# Altium PCB USD3.0.PcbDoc (part 3 of 3)
Units mm, origin at the board's own origin, x right, y up, seen from the top; angles counter-clockwise.
Board outline 70 x 100 mm, 4 copper layers (Layer 1, Layer 2, Layer 3, Layer 4), stack 0.566 mm thick; 249 components, 168 nets, 1040 pads, 789 vias.
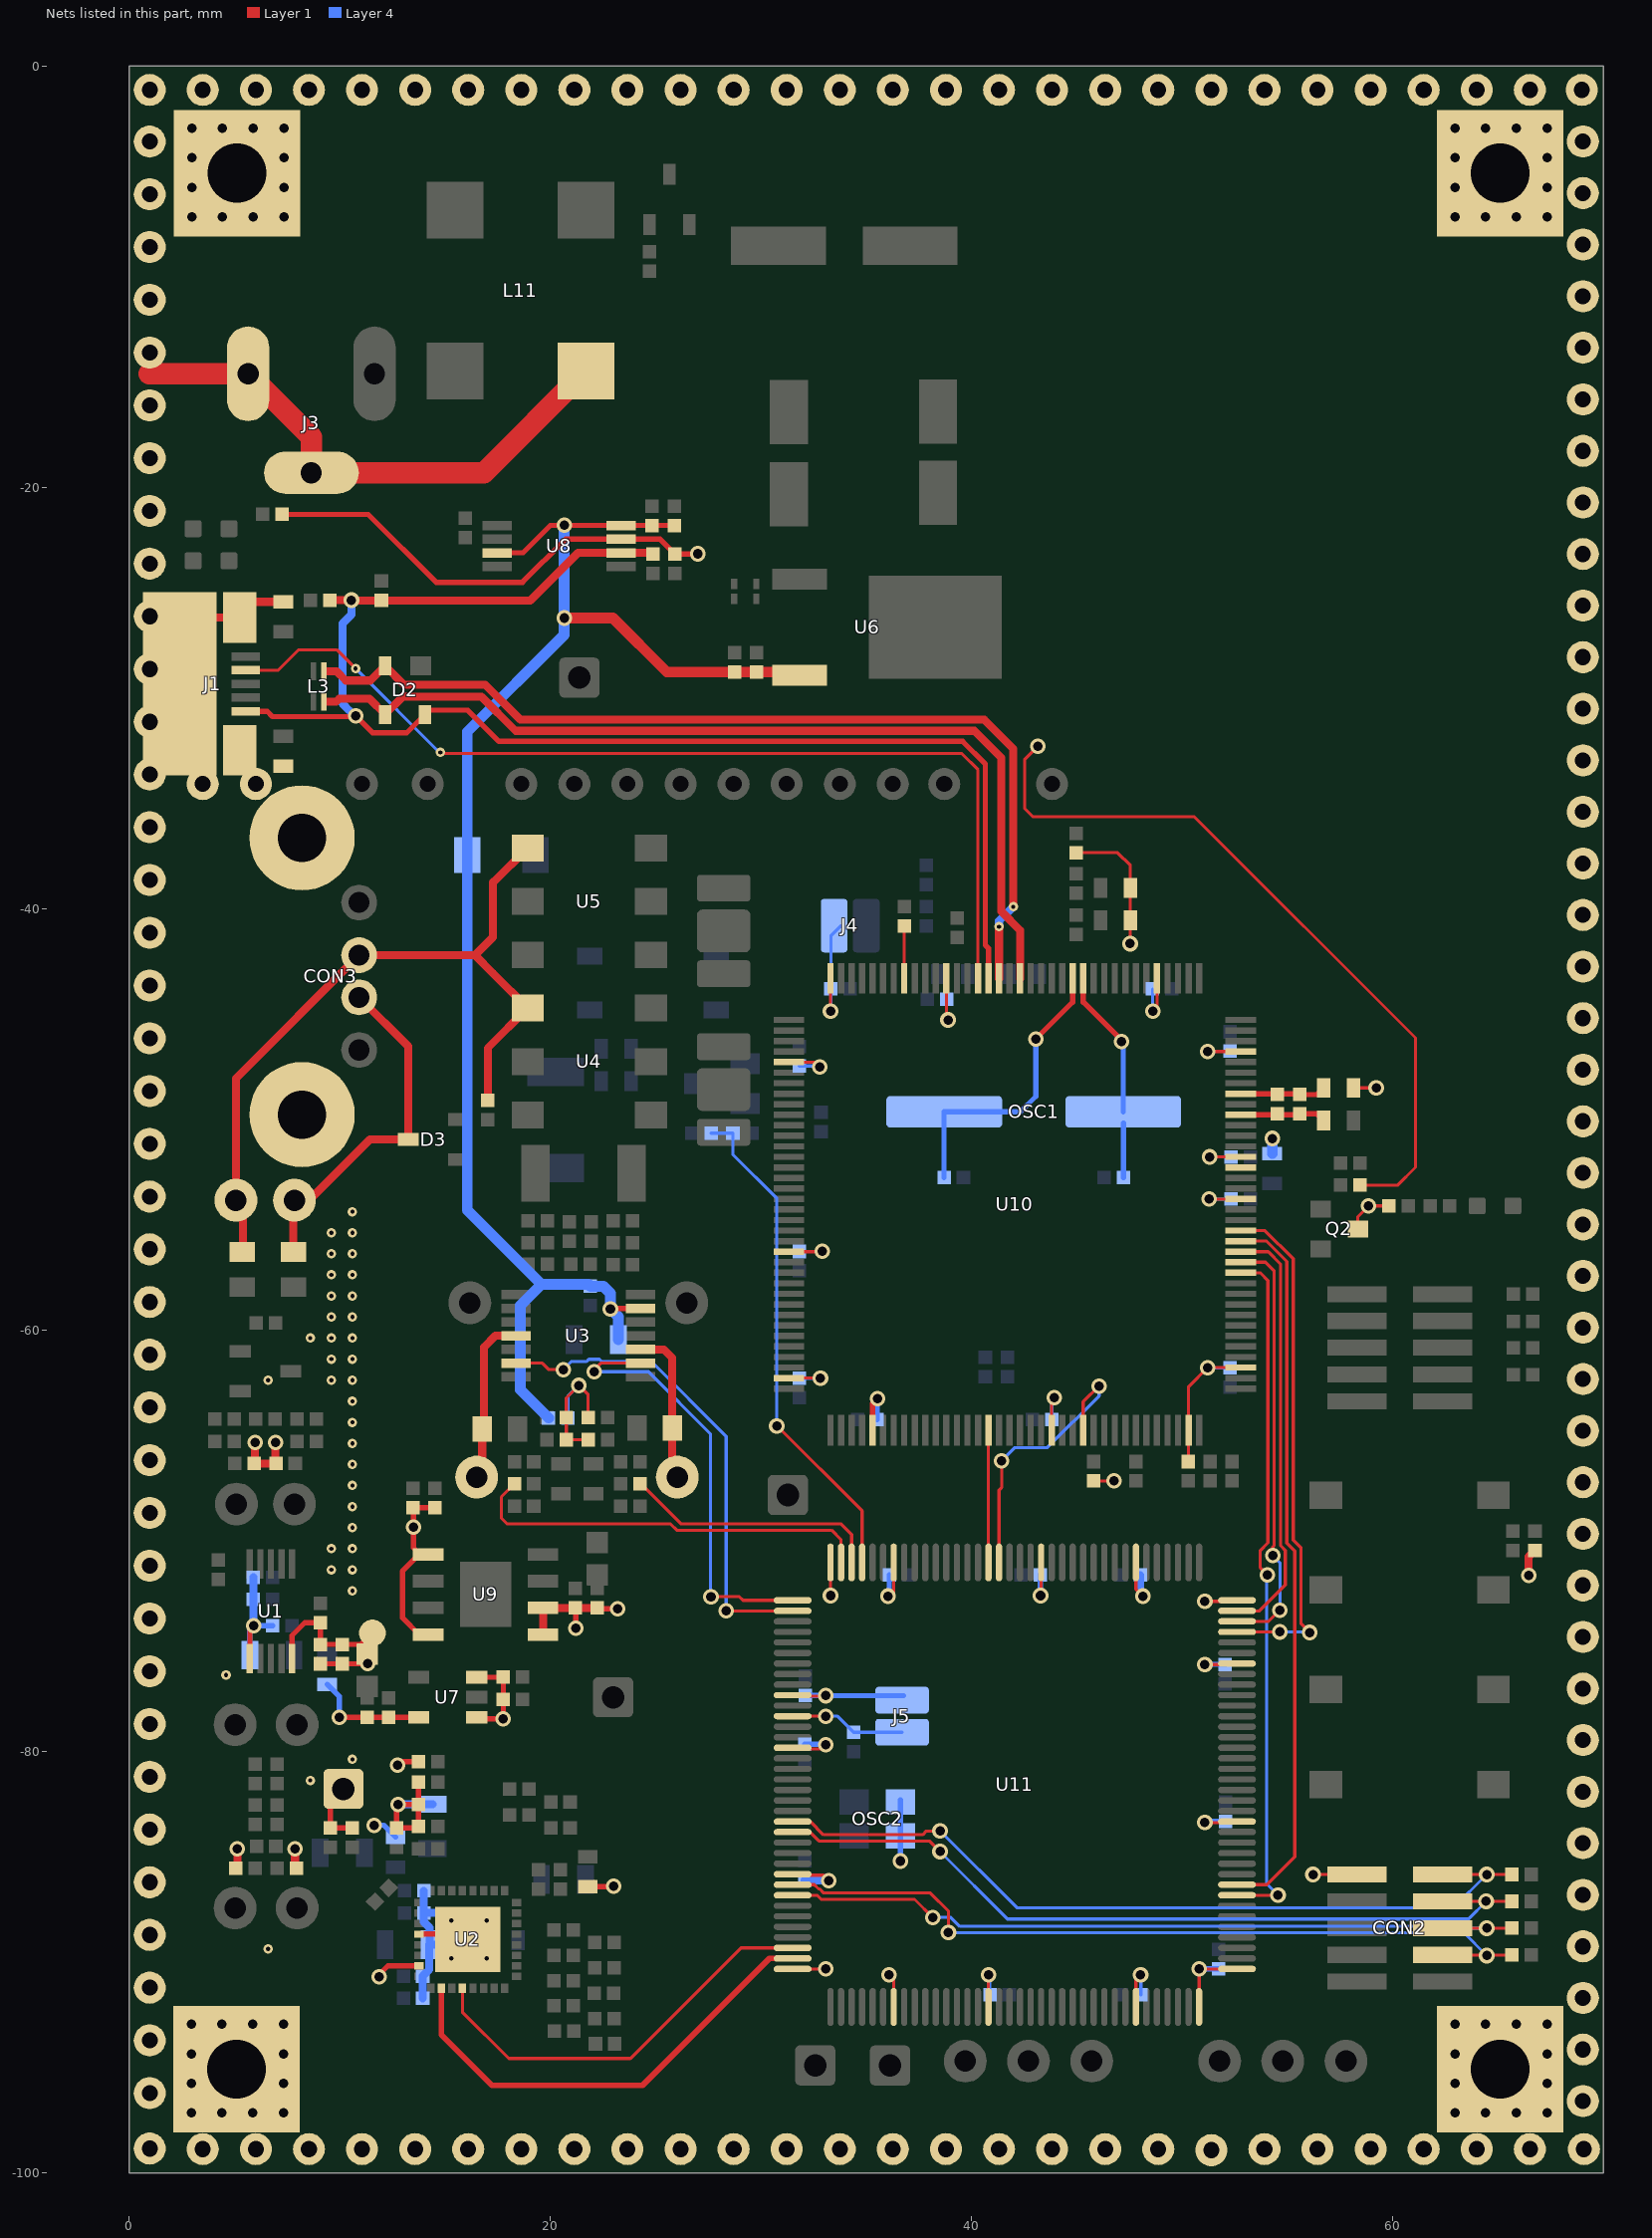
[diagram p5: the nets of this part, all layers, seen from the top]

## Via types
v1: diameter 0.45, hole 0.2, Layer 1 to Layer 4, 335 vias
v2: diameter 0.737, hole 0.45, Layer 1 to Layer 4, 194 vias
v3: diameter 0.45, hole 0.2, Layer 1 to Layer 4, tented both sides, 182 vias
v4: diameter 0.6, hole 0.3, Layer 1 to Layer 4, 42 vias
v5: diameter 0.75, hole 0.45, Layer 1 to Layer 4, tented both sides, 13 vias
v6: diameter 0.75, hole 0.45, Layer 1 to Layer 4, 13 vias
v7: diameter 0.737, hole 0.45, Layer 1 to Layer 4, tented both sides, 5 vias
v8: diameter 0.5, hole 0.2, Layer 1 to Layer 4, 4 vias
v9: diameter 0.75, hole 0.45, Layer 1 to Layer 4, tented bottom, 1 vias

## Nets (pads, with @x,y where several pads share a name; then routed paths per layer and width w, separated by ;. In a path a pad name is that pad's centre, name@x,y a point inside that pad or via, vN(x,y) a via of type N, cw(c..) or ccw(c..) an arc to the next point about the centre after c; other vN are vias at no path point) (continued)
PGND: CON3.SH J1.SH J3.2 J3.3 L6.1 L7.1 L11.2 pad.2@0.975,-1.125 pad.2@0.975,-3.579 pad.2@0.975,-6.083 pad.2@0.975,-8.587 pad.2@0.975,-11.09 pad.2@0.975,-13.594 pad.2@0.975,-16.098 pad.2@0.975,-18.602 pad.2@0.975,-21.106 pad.2@0.975,-23.61 pad.2@0.975,-26.113 pad.2@0.975,-28.617 pad.2@0.975,-31.121 pad.2@0.975,-33.625 pad.2@0.975,-36.129 pad.2@0.975,-38.633 pad.2@0.975,-41.137 pad.2@0.975,-43.64 pad.2@0.975,-46.144 pad.2@0.975,-48.648 pad.2@0.975,-51.152 pad.2@0.975,-53.656 pad.2@0.975,-56.16 pad.2@0.975,-58.663 pad.2@0.975,-61.167 pad.2@0.975,-63.671 pad.2@0.975,-66.175 pad.2@0.975,-68.679 pad.2@0.975,-71.183 pad.2@0.975,-73.687 pad.2@0.975,-76.19 pad.2@0.975,-78.694 pad.2@0.975,-81.198 pad.2@0.975,-83.702 pad.2@0.975,-86.206 pad.2@0.975,-88.71 pad.2@0.975,-91.213 pad.2@0.975,-93.717 pad.2@0.975,-96.221 pad.2@0.975,-98.85 pad.2@3.495,-1.125 pad.2@3.495,-34.075 pad.2@3.495,-98.875 pad.2@6.016,-1.125 pad.2@6.016,-34.075 pad.2@6.016,-98.875 pad.2@8.536,-1.125 pad.2@8.536,-98.875 pad.2@11.056,-1.125 pad.2@11.056,-98.875 pad.2@13.577,-1.125 pad.2@13.577,-98.875 pad.2@16.097,-1.125 pad.2@16.097,-98.875 pad.2@18.618,-1.125 pad.2@18.618,-98.875 pad.2@21.138,-1.125 pad.2@21.138,-98.875 pad.2@23.658,-1.125 pad.2@23.658,-98.875 pad.2@26.179,-1.125 pad.2@26.179,-98.875 pad.2@28.699,-1.125 pad.2@28.699,-98.875 pad.2@31.219,-1.125 pad.2@31.219,-98.875 pad.2@33.74,-1.125 pad.2@33.74,-98.875 pad.2@36.26,-1.125 pad.2@36.26,-98.875 pad.2@38.781,-1.125 pad.2@38.781,-98.875 pad.2@41.301,-1.125 pad.2@41.301,-98.875 pad.2@43.821,-1.125 pad.2@43.821,-98.875 pad.2@46.342,-1.125 pad.2@46.342,-98.875 pad.2@48.862,-1.125 pad.2@48.862,-98.875 pad.2@51.382,-1.125 pad.2@51.382,-98.925 pad.2@53.903,-1.125 pad.2@53.903,-98.875 pad.2@56.423,-1.125 pad.2@56.423,-98.875 pad.2@58.943,-1.125 pad.2@58.943,-98.875 pad.2@61.464,-1.125 pad.2@61.464,-98.875 pad.2@63.984,-1.125 pad.2@63.984,-98.875 pad.2@66.505,-1.125 pad.2@66.505,-98.875 pad.2@68.975,-1.125 pad.2@69.025,-3.573 pad.2@69.025,-6.021 pad.2@69.025,-8.469 pad.2@69.025,-10.917 pad.2@69.025,-13.365 pad.2@69.025,-15.813 pad.2@69.025,-18.261 pad.2@69.025,-20.709 pad.2@69.025,-23.157 pad.2@69.025,-25.605 pad.2@69.025,-28.053 pad.2@69.025,-30.501 pad.2@69.025,-32.949 pad.2@69.025,-35.397 pad.2@69.025,-37.845 pad.2@69.025,-40.293 pad.2@69.025,-42.741 pad.2@69.025,-45.189 pad.2@69.025,-47.637 pad.2@69.025,-50.085 pad.2@69.025,-52.533 pad.2@69.025,-54.98 pad.2@69.025,-57.428 pad.2@69.025,-59.876 pad.2@69.025,-62.324 pad.2@69.025,-64.772 pad.2@69.025,-67.22 pad.2@69.025,-69.668 pad.2@69.025,-72.116 pad.2@69.025,-74.564 pad.2@69.025,-77.012 pad.2@69.025,-79.46 pad.2@69.025,-81.908 pad.2@69.025,-84.356 pad.2@69.025,-86.804 pad.2@69.025,-89.252 pad.2@69.025,-91.7 pad.2@69.025,-94.148 pad.2@69.025,-96.596 pad.2@69.075,-98.875 pad.MH | length 31.4
  Layer 1 w0.381: J1.SH@2.4,-26.175 J1.SH@5.25,-26.175 5.25,-25.425 L7.1@7.325,-25.425
  Layer 1 w1.016: 0.95,-14.6 J3.2@5.65,-14.6 8.65,-17.6 J3.3@8.65,-19.3 16.845,-19.3 L11.2@21.685,-14.46
  other v2: 2.95,-97.15 4.408,-97.15 5.867,-97.15 7.325,-97.15 62.95,-97.15 64.408,-97.15 65.867,-97.15 67.325,-97.15 2.95,-95.75 7.325,-95.75 62.95,-95.75 67.325,-95.75 2.95,-94.35 7.325,-94.35 62.95,-94.35 67.325,-94.35 2.95,-92.95 4.408,-92.95 5.867,-92.95 7.325,-92.95 62.95,-92.95 64.408,-92.95 65.867,-92.95 67.325,-92.95 2.975,-7.15 4.433,-7.15 5.892,-7.15 7.35,-7.15 62.95,-7.15 64.408,-7.15 65.867,-7.15 67.325,-7.15 2.975,-5.75 7.35,-5.75 62.95,-5.75 67.325,-5.75 2.975,-4.35 7.35,-4.35 62.95,-4.35 67.325,-4.35 2.975,-2.95 4.433,-2.95 5.892,-2.95 7.35,-2.95 62.95,-2.95 64.408,-2.95 65.867,-2.95 67.325,-2.95
PIEZO_N: CON3.D- L2.1 R64.2 TP3.1 U4.4 U5.4 | length 37.3
  Layer 1 w0.381: L2.1@5.395,-56.53 5.395,-54.705 5.07,-54.38 5.07,-54.025 TP3.1@5.07,-53.83 5.07,-48.049 CON3.D-@10.919,-42.2 16.415,-42.2 ; R64.2@17.025,-49.09 17.025,-46.61 U4.4@18.925,-44.71 17.275,-43.06 16.415,-42.2 ; 17.275,-38.735 17.275,-38.76 ; U5.4@18.925,-37.11 17.275,-38.76 ; 16.415,-42.2 17.275,-41.34 17.275,-38.76
PIEZO_P: CON3.D+ D3.3 L1.1 TP1.1 | length 17.5
  Layer 1 w0.381: L1.1@7.795,-56.25 TP1.1@7.795,-53.88 ; TP1.1@7.795,-53.182 TP1.1@7.795,-53.88 ; TP1.1@7.845,-53.83 TP1.1@7.795,-53.88 ; CON3.D+@10.919,-44.2 13.25,-46.531 D3.3@13.25,-50.95 11.425,-50.95 8.495,-53.88 TP1.1@7.795,-53.88
RESET: U10.97 U11.92 | length 13.8
  Layer 1 w0.15: U11.92@41.3,-71.025 41.3,-67.6 41.425,-67.475 v2@41.425,-66.25 ; v2@41.3,-66.325 v2(41.425,-66.2) ; U10.97@45.3,-64.75 45.3,-63.4 v2(46.05,-62.65)
  Layer 4 w0.15: v2(41.425,-66.2) 42.05,-65.575 43.601,-65.575 46.05,-63.126 v2(46.05,-62.65)
RX_CLOCK: U2.2 U11.143 | length 22.4
  Layer 1 w0.273: U2.2@14.825,-91.25 14.825,-93.45 17.225,-95.85 24.375,-95.85 30.4,-89.825 U11.143@31.5,-89.825
RX_PWDN: U2.4 U11.142 | length 19.9
  Layer 1 w0.15: U2.4@15.825,-91.25 15.825,-92.375 18.025,-94.575 23.8,-94.575 29.05,-89.325 U11.142@31.5,-89.325
RXA1V6: C13.1 R5.2 R7.1 TP7.1 U1.10 | length 6.4
  Layer 1 w0.254: U1.10@7.728,-75.599 7.728,-74.503 8.343,-73.888 R5.2@9.078,-73.888 C13.1@9.078,-74.918 R7.1@10.128,-74.918 11.007,-74.918 TP7.1@11.55,-74.375
RXA3V3: C50.1 C51.1 L8.1 L9.1 R9.1 U7.5 | length 7.9
  Layer 1 w0.254: v2@9.985,-78.385 v2(9.975,-78.375) U7.5@13.75,-78.375 ; v2(12.75,-80.65) 12.925,-80.475 R9.1@13.74,-80.475
  Layer 4 w0.254: L8.1@9.4,-76.81 9.975,-77.385 v2(9.975,-78.375) ; v2(11.625,-83.5) 12.085,-83.5 L9.1@12.65,-84.065
RXAGND: C9.2 C10.2 C11.2 C12.2 C13.2 C14.2 C15.2 C16.2 C17.2 C18.2 C22.2 C25.2 C26.2 C27.2 C28.2 J2.2 L12.1 P3.1 R7.2 R10.2 R12.2 R65.2 R66.2 R85.2 R86.2 U1.6 U2.28 U2.31 U2.33 | length 36.8
  Layer 1 w0.254: U1.6@5.737,-75.407 5.737,-74.194 v2(5.903,-74.028) ; C13.2@9.078,-75.838 R7.2@10.128,-75.838 J2.2@11.093,-75.838 ; P3.1@10.175,-81.775 9.553,-82.397 C22.2@9.553,-83.628 C25.2@10.603,-83.628 ; v2(11.875,-90.7) 11.766,-90.7 12.291,-90.175 13.517,-90.175 13.522,-90.17 U2.31@13.662,-90.17 ; U2.28@13.662,-88.671 15.821,-88.671 U2.33@16.075,-88.925 ; R12.2@13.678,-83.628 C28.2@12.703,-83.628 12.703,-82.597 v2(12.775,-82.525) 12.787,-82.513 R10.2@13.743,-82.513 ; R12.2@13.743,-83.563 R10.2@13.743,-82.513 ; C26.2@13.743,-81.463 R10.2@13.743,-82.513
  Layer 1 w0.381: R86.2@5.143,-85.553 v2@5.143,-84.643 ; R66.2@5.935,-66.325 R65.2@6.965,-66.325 ; R66.2@5.975,-66.285 v2(5.975,-65.325) ; R65.2@6.95,-66.31 v2(6.95,-65.325) ; R85.2@7.875,-85.49 v2(7.875,-84.625)
  Layer 4 w0.254: C11.2@5.725,-75.425 5.725,-74.206 v2(5.903,-74.028) 5.906,-74.025 C12.2@6.815,-74.025 ; v8(16.975,-88.025) 16.975,-88.885 L12.1@17.04,-88.95
  Layer 4 w0.381: v2@5.893,-74.018 C9.2@5.893,-71.728 ; v2(12.775,-82.525) 12.8,-82.5 C27.2@14.4,-82.5 ; C16.2@13.938,-91.713 C18.2@13.938,-90.663 14.253,-90.348 C14.2@14.253,-89.172 ; C17.2@13.988,-86.613 C15.2@13.988,-87.663 ; v8(15.3,-89.825) 15.3,-89.7 14.772,-89.172 C14.2@14.253,-89.172 ; v8(15.3,-88.025) 15.175,-88.025 14.813,-87.663 C15.2@13.988,-87.663 ; C15.2@13.988,-87.663 13.988,-88.088 14.275,-88.375 14.275,-89.15 C14.2@14.253,-89.172
  other v1: 6.6,-89.375 8.6,-81.375 10.6,-80.375 4.6,-76.375 10.6,-72.375 9.6,-71.375 10.6,-71.375 9.6,-70.375 10.6,-70.375 10.6,-69.375 10.6,-68.375 10.6,-67.375 10.6,-66.375 10.6,-65.375 10.6,-64.375 10.6,-63.375 6.6,-62.375 9.6,-62.375 10.6,-62.375 9.6,-61.375 10.6,-61.375 8.6,-60.375 9.6,-60.375 10.6,-60.375 9.6,-59.375 10.6,-59.375 9.6,-58.375 10.6,-58.375 9.6,-57.375 10.6,-57.375 9.6,-56.375 10.6,-56.375 9.6,-55.375 10.6,-55.375 10.6,-54.375
  other v2: 5.128,-84.628 11.328,-75.828
  other v8: 16.975,-89.825
SPI0: U10.120 U11.44 | length 33.1
  Layer 1 w0.15: U11.44@52.6,-86.825 v2(54.55,-86.825) ; U10.120@52.775,-57.275 53.7,-57.275 54.069,-57.644 54.069,-70.092 53.706,-70.454 53.706,-71.281 v2(54.05,-71.625)
  Layer 4 w0.15: v2(54.05,-71.625) 54.006,-71.669 54.006,-86.281 v2(54.55,-86.825)
SPI1: U10.123 U11.45 | length 34.3
  Layer 1 w0.15: U11.45@52.6,-86.325 54.025,-86.325 55.344,-85.007 55.344,-70.48 54.969,-70.105 54.969,-56.736 54.008,-55.775 U10.123@52.775,-55.775
SPI2: U10.122 U11.71 | length 20.3
  Layer 1 w0.15: U11.71@52.6,-73.325 53.662,-73.325 54.894,-72.094 54.894,-70.454 54.669,-70.229 54.669,-56.86 54.084,-56.275 U10.122@52.775,-56.275
SPI3: U10.124 U11.69 | length 24.6
  Layer 1 w0.15: U11.69@52.6,-74.325 v2(54.625,-74.325) ; U10.124@52.775,-55.275 53.932,-55.275 55.269,-56.611 55.269,-69.966 55.644,-70.341 55.644,-73.943 v2(56.05,-74.35)
  Layer 4 w0.15: v2(54.625,-74.325) 56.025,-74.325 v2(56.05,-74.35)
SPI4: U10.121 U11.70 | length 20.3
  Layer 1 w0.15: U11.70@52.6,-73.825 54.1,-73.825 v2(54.625,-73.3) ; U10.121@52.775,-56.775 53.95,-56.775 54.369,-57.194 54.369,-70.216 54.3,-70.285 v2(54.3,-70.7)
  Layer 4 w0.15: v2(54.3,-70.7) 54.644,-71.044 54.644,-73.281 v2(54.625,-73.3)
SWITCH: R68.1 R69.2 U11.105 | length 24
  Layer 1 w0.15: v6@30.762,-64.537 34.8,-68.575 U11.105@34.8,-71.025
  Layer 4 w0.15: R69.2@27.635,-50.65 R68.1@28.665,-50.65 28.665,-51.665 30.75,-53.75 v6(30.75,-64.55)
SYNC: U10.88 U11.93 | length 6.3
  Layer 1 w0.15: U11.93@40.8,-71.025 40.8,-67.937 U10.88@40.8,-64.75
TRST: R47.1 U10.29 | length 2.5
  Layer 1 w0.15: U10.29@36.8,-43.3 R47.1@36.8,-40.81
TX_CLOCK0: R21.1 U11.106 | length 12.4
  Layer 1 w0.15: R21.1@24.26,-67.3 24.311,-67.3 26.211,-69.2 33.804,-69.2 34.3,-69.696 U11.106@34.3,-71.025
TX_CLOCK1: R13.1 U11.107 | length 19.5
  Layer 1 w0.15: R13.1@18.29,-67.3 17.675,-67.915 17.675,-68.925 17.945,-69.195 25.695,-69.195 26,-69.5 33.35,-69.5 33.8,-69.95 U11.107@33.8,-71.025
TX_N: L5.2 TP11.1 U3.10 | length 7.4
  Layer 1 w0.381: U3.10@24.275,-60.915 25.39,-60.915 25.788,-61.313 L5.2@25.788,-64.65 25.788,-66.737 TP11.1@26.025,-66.975
TX_P: L4.2 TP10.1 U3.4 | length 7.5
  Layer 1 w0.381: TP10.1@16.5,-66.975 16.762,-66.713 L4.2@16.762,-64.7 ; L4.2@16.837,-64.175 16.837,-60.812 17.385,-60.265 U3.4@18.375,-60.265
TX_PWDN0: U3.9 U11.109 | length 20.9
  Layer 1 w0.15: v2(22.075,-61.975) 22.075,-61.887 22.397,-61.565 U3.9@24.275,-61.565 ; v2(27.625,-72.65) 28.975,-72.65 29.15,-72.825 U11.109@31.5,-72.825
  Layer 4 w0.15: v2(22.075,-61.975) 24.654,-61.975 27.6,-64.921 27.6,-72.625 v2(27.625,-72.65)
TX_PWDN1: U3.6 U11.110 | length 23.5
  Layer 1 w0.15: U3.6@18.375,-61.565 19.615,-61.565 19.925,-61.875 v2(20.612,-61.875) ; v2(28.35,-73.325) U11.110@31.5,-73.325
  Layer 4 w0.15: v2@20.575,-62.125 v2@20.575,-61.875 ; v2(20.612,-61.875) 20.997,-61.49 21.721,-61.49 21.829,-61.381 22.321,-61.381 22.429,-61.49 24.794,-61.49 28.35,-65.046 v2(28.35,-73.325)
TXD2V5: C30.1 R15.2 R17.2 R18.1 R20.1 | length 7.3
  Layer 1 w0.15: R20.1@21.79,-65.2 R17.2@20.76,-65.2 R18.1@20.76,-64.15 20.76,-63.215 v2(21.35,-62.625) 21.79,-63.065 C30.1@21.79,-64.15
  Layer 4 w0.15: R15.2@20.835,-64.175 20.835,-63.14 v2(21.35,-62.625)
TXD5V0: C33.1 C34.1 C42.1 C43.1 C44.1 R15.1 R33.1 R67.1 U3.13 U6.3 U8.3 U8.8 | length 75.1
  Layer 1 w0.254: U8.3@17.465,-23.1 18.7,-23.1 20,-21.8 U8.8@23.365,-21.8 25.875,-21.8 R33.1@25.88,-21.805 ; v2(22.85,-58.99) 22.87,-58.97 U3.13@24.144,-58.97 ; U6.3@31.68,-28.76 U6.3@31.825,-28.905
  Layer 1 w0.508: v2(20.655,-26.194) 22.969,-26.194 25.535,-28.76 C42.1@28.75,-28.76 U6.3@31.68,-28.76
  Layer 4 w0.508: R15.1@19.92,-64.17 18.575,-62.825 18.575,-58.825 19.575,-57.825 ; v2@20.63,-21.795 v2(20.655,-21.795) v2(20.655,-26.194) 20.655,-26.995 16.05,-31.6 R67.1@16.05,-37.45 16.05,-54.3 19.575,-57.825 ; C33.1@23.225,-60.45 23.225,-59.365 v2(22.85,-58.99) 22.85,-58.25 22.515,-57.915 C34.1@21.9,-57.915 21.81,-57.825 19.575,-57.825
USB0_N: D2.3 L3.4 U10.18 | length 44.9
  Layer 1 w0.381: L3.4@9.325,-30.175 9.825,-30.175 9.975,-30.025 11.405,-30.025 D2.3@12.15,-30.77 12.995,-29.925 16.724,-29.925 18.349,-31.55 40.125,-31.55 41.4,-32.825 41.4,-40.125 42.3,-41.025 U10.18@42.3,-43.3 ; 13.01,-29.911 13.035,-29.886
USB0_P: D2.2 L3.3 U10.20 | length 45.9
  Layer 1 w0.381: 9.375,-28.725 9.85,-28.725 10.286,-29.161 11.46,-29.161 D2.2@12.15,-28.47 13.035,-29.355 16.905,-29.355 18.569,-31.019 40.595,-31.019 41.975,-32.399 v1(41.975,-39.9) ; U10.20@41.3,-43.3 41.3,-41.975 v1(41.3,-40.85)
  Layer 4 w0.381: v1(41.3,-40.85) 41.3,-40.575 v1(41.975,-39.9)
USB0ID: J1.4 U10.22 | length 47.4
  Layer 1 w0.15: J1.4@5.525,-28.675 7.075,-28.675 8.05,-27.7 9.855,-27.7 v1(10.75,-28.595) ; v1(14.775,-32.575) 14.825,-32.625 39.525,-32.625 40.3,-33.4 U10.22@40.3,-43.3
  Layer 4 w0.15: v1(10.75,-28.595) 14.73,-32.575 v1(14.775,-32.575)
USBVBUS: C45.1 C46.1 D2.4 J1.1 R35.1 U8.6 U10.21 | length 69.5
  Layer 1 w0.15: D2.4@14.05,-30.77 D2.4@14.245,-30.575 ; D2.4@14.252,-30.568 D2.4@14.3,-30.52
  Layer 1 w0.254: J1.1@5.525,-30.625 6.55,-30.625 6.802,-30.877 8.99,-30.877 ; 9.01,-30.877 10.708,-30.877 v2(10.75,-30.835) 11.565,-31.65 13.17,-31.65 D2.4@14.05,-30.77 D2.4@14.05,-30.543 ; v9(10.55,-25.35) v9@10.56,-25.36 ; D2.4@14.245,-30.575 14.252,-30.568 16.075,-30.568 17.557,-32.05 39.575,-32.05 40.652,-33.127 40.652,-41.727 40.8,-41.875 U10.21@40.8,-43.3 ; C45.1@24.8,-23.095 C45.1@24.865,-23.16
  Layer 1 w0.381: C46.1@9.535,-25.35 v9(10.55,-25.35) ; v9@10.56,-25.36 R35.1@11.975,-25.36 19.041,-25.36 21.306,-23.095 C45.1@24.8,-23.095
  Layer 4 w0.381: 10.458,-30.6 10.125,-30.267 10.125,-26.45 10.55,-26.025 v9(10.55,-25.35)
VDD3V3: C54.1 C55.1 C58.1 C59.1 C60.1 C61.1 C62.1 C63.1 C64.1 C65.1 C66.1 C67.1 C68.1 C69.1 C70.1 C75.1 C76.1 C77.1 C78.1 C79.1 C80.1 C81.1 C82.1 C83.1 C84.1 C85.1 CON2.VTref J4.1 J5.1 L10.1 L14.1 L18.1 L19.1 OSC2.EN OSC2.VCC Q2.3 R37.2 R38.1 R48.1 R57.1 R61.1 U9.1 U9.2 U10.5 U10.25 U10.36 U10.41 U10.59 U10.71 U10.77 U10.94 U10.107 U10.111 U10.127 U10.131 U10.141 U11.7 U11.16 U11.30 U11.36 U11.37 U11.51 U11.66 U11.72 U11.79 U11.88 U11.102 U11.108 U11.118 U11.123 U11.135 U11.144 | length 105.4
  Layer 1 w0.15: U10.71@31.325,-62.275 v2(32.825,-62.275) ; U10.59@31.325,-56.275 32.875,-56.275 v2(32.9,-56.25) ; U10.41@31.325,-47.275 32.65,-47.275 32.8,-47.425 v2(32.8,-47.5) ; U11.144@31.5,-90.325 v2(33.075,-90.325) ; U11.135@31.5,-85.875 32.975,-85.875 v2(33.225,-86.125) v2@33.1,-86.125 ; U11.123@31.5,-79.875 32.875,-79.875 v2(33.075,-79.675) ; U11.118@31.5,-77.375 33.05,-77.375 v2(33.075,-77.35) ; v2(33.3,-72.6) U11.108@33.3,-71.075 ; v2(33.3,-44.85) U10.36@33.3,-43.3 ; v2(36.025,-72.625) 36.1,-72.625 36.3,-72.425 U11.102@36.3,-71.075 ; U11.7@36.3,-92.175 v2@36.3,-90.675 ; U10.25@38.8,-43.3 38.8,-45.225 38.85,-45.275 v6(38.885,-45.275) ; U11.16@40.8,-92.125 v2(40.8,-90.6) ; v2(43.275,-72.6) 43.3,-72.575 U11.88@43.3,-71.075 ; U10.94@43.8,-64.75 43.8,-63.2 v2(43.925,-63.2) ; R38.1@44.975,-37.335 46.935,-37.335 47.535,-37.935 L19.1@47.535,-39 L18.1@47.535,-40.55 47.535,-41.64 v6(47.525,-41.65) ; R57.1@45.8,-67.16 v2(46.765,-67.16) ; U11.30@47.8,-92.125 47.8,-90.825 v2(48.025,-90.6) ; U11.79@47.8,-71.075 47.8,-72.3 v2(48.125,-72.625) ; v2(48.6,-44.85) 48.8,-44.65 U10.5@48.8,-43.3 ; R48.1@50.3,-66.24 U10.107@50.3,-64.75 50.3,-62.675 v2(51.2,-61.775) U10.111@52.775,-61.775 ; U11.36@50.8,-92.125 v2(50.8,-90.325) U11.37@52.6,-90.325 ; v2(51.075,-83.375) U11.51@52.6,-83.375 ; v2(51.075,-75.875) U11.66@52.6,-75.875 ; v2(51.075,-72.875) U11.72@52.6,-72.875 ; v2(51.2,-46.775) U10.141@52.775,-46.775 ; v2(51.275,-53.775) U10.127@52.775,-53.775 ; v2(51.3,-51.775) U10.131@52.775,-51.775 ; v5@56.213,-85.845 CON2.VTref@58.3,-85.845 ; L14.1@58.135,-48.5 v2(59.21,-48.5) ; Q2.3@58.335,-55.2 58.335,-54.615 v2(58.85,-54.1) R37.2@59.815,-54.1
  Layer 1 w0.254: C54.1@21.175,-73.185 21.2,-73.21 v2(21.2,-74.15) ; L10.1@21.775,-86.41 22.99,-86.41 v2(23,-86.4) ; C55.1@22.19,-73.22 C55.1@22.225,-73.185 ; C55.1@22.265,-73.225 v2(23.2,-73.225) ; U10.77@35.3,-64.75 35.3,-63.475 v2(35.525,-63.25)
  Layer 1 w0.381: U9.1@19.65,-74.455 U9.2@19.65,-73.185 C54.1@21.175,-73.185 C55.1@22.225,-73.185 ; v7(66.45,-71.65) 66.45,-70.76 R61.1@66.75,-70.46
  Layer 4 w0.15: C63.1@31.825,-62.29 32.81,-62.29 v2(32.825,-62.275) ; C62.1@31.825,-56.265 32.885,-56.265 v2(32.9,-56.25) ; C61.1@31.825,-47.46 32.835,-47.46 32.8,-47.495 v2(32.8,-47.5) ; v2@33.06,-77.335 v2(33.075,-77.35) ; v2@33.065,-79.665 v2(33.075,-79.675) ; v2@33.2,-86.125 33.208,-86.113 33.21,-86.11 v2(33.225,-86.125) ; v2(33.3,-44.85) 33.315,-44.835 33.315,-41.283 J4.1@33.798,-40.8 ; v2(36.025,-72.625) 36.03,-72.625 v2@36.09,-72.565 ; C59.1@38.81,-44.3 38.81,-45.235 38.85,-45.275 v6(38.885,-45.275) ; C85.1@40.865,-91.55 v2@40.865,-90.665 ; v2@43.26,-72.585 v2(43.275,-72.6) ; C65.1@43.81,-64.25 43.81,-63.21 43.82,-63.2 v2(43.925,-63.2) ; C84.1@48.035,-91.55 v2@48.035,-90.61 ; C58.1@48.59,-43.8 48.59,-44.84 v2(48.6,-44.85) ; v2(51.2,-61.775) 51.215,-61.79 C66.1@52.275,-61.79 ; v2(51.2,-46.775) 51.215,-46.76 C69.1@52.275,-46.76 ; v2(51.275,-53.775) C67.1@52.315,-53.775 ; v2(51.3,-51.775) C68.1@52.315,-51.775
  Layer 4 w0.254: C82.1@32.075,-79.665 v2@33.065,-79.665 ; C81.1@32.1,-77.335 v2@33.06,-77.335 ; v2(33.075,-77.35) J5.1@36.775,-77.35 ; C64.1@35.51,-64.25 35.51,-63.265 v2(35.525,-63.25) ; v2@36.09,-72.565 C80.1@36.09,-71.625 ; v2@36.617,-85.192 OSC2.VCC@36.617,-82.312 ; v2@43.26,-72.585 C79.1@43.26,-71.625 ; v2@50.815,-90.31 C76.1@51.725,-90.31 ; v2@51.085,-75.865 C78.1@52.025,-75.865 ; v2@51.14,-83.31 C77.1@52.05,-83.31
  Layer 4 w0.381: C83.1@32.075,-86.11 v2@33.21,-86.11 ; C75.1@48.01,-71.625 48.01,-72.51 v2(48.125,-72.625)
  Layer 4 w0.508: C70.1@54.275,-51.615 v2(54.275,-50.9)
  other v2: 36.075,-90.6 36.625,-85.2
  other v5: 56.207,-85.839
VDD5V0: C47.1 C48.1 C49.1 C52.1 C53.1 R36.1 R60.1 U7.1 U7.3 U8.7 U9.5 U9.8 | length 71.3
  Layer 1 w0.15: v2(43.15,-32.275) 42.525,-32.9 42.525,-35.247 42.903,-35.625 50.575,-35.625 61.075,-46.125 61.075,-52.271 60.221,-53.125 R60.1@58.435,-53.125
  Layer 1 w0.254: R36.1@7.26,-21.275 11.35,-21.275 14.575,-24.5 18.675,-24.5 20.725,-22.45 U8.7@23.365,-22.45 25.205,-22.45 C47.1@25.915,-23.16 26.99,-23.16 v2(27.005,-23.145) ; U9.8@14.2,-74.455 13.78,-74.455 12.975,-73.65 12.975,-71.45 13.78,-70.645 U9.5@14.2,-70.645 13.82,-70.645 13.5,-70.325 v2(13.5,-69.35) 13.5,-68.46 C52.1@13.475,-68.435 C53.1@14.525,-68.435 ; U7.1@16.5,-78.375 16.575,-78.45 v2(17.75,-78.45) 17.765,-78.435 C48.1@17.765,-77.525 17.75,-77.51 17.765,-77.495 C49.1@17.765,-76.475 U7.3@16.5,-76.475
VDDA: C56.1 C57.1 L14.2 U10.137 | length 4
  Layer 1 w0.254: U10.137@52.775,-48.775 C56.1@55.535,-48.775 ; C56.1@55.575,-48.815 56.4,-48.815 L14.2@56.715,-48.5
VSSA: C56.2 C57.2 L15.2 U10.135 | length 4
  Layer 1 w0.254: U10.135@52.775,-49.775 C56.2@55.535,-49.775 ; C56.2@55.575,-49.735 56.4,-49.735 L15.2@56.715,-50.05
WAKEUP: U10.130
XO2_DBGEN: J5.2 R52.2 U11.120 | length 5.5
  Layer 1 w0.15: U11.120@31.5,-78.325 v2(33.075,-78.325)
  Layer 4 w0.15: v2(33.075,-78.325) 33.635,-78.325 R52.2@34.4,-79.09 36.697,-79.09 J5.2@36.7,-79.087
XO2_TCK: CON2.TCK R55.1 U11.131 | length 38.3
  Layer 1 w0.15: U11.131@31.5,-83.825 32.325,-83.825 32.75,-84.25 38,-84.25 v2(38.5,-84.75) ; CON2.TCK@62.364,-87.115 v5(64.432,-87.114) R55.1@65.647,-87.114
  Layer 4 w0.15: v2(38.5,-84.75) 41.7,-87.95 63.596,-87.95 v5(64.432,-87.114)
XO2_TDI: CON2.TDI R53.1 U11.136 | length 38.2
  Layer 1 w0.15: U11.136@31.5,-86.325 32.531,-86.325 32.731,-86.525 32.786,-86.525 32.979,-86.719 38.044,-86.719 38.9,-87.575 v2(38.9,-88.6) ; CON2.TDI@62.373,-89.664 R53.1@65.647,-89.664
  Layer 4 w0.15: v2(38.9,-88.6) 63.368,-88.6 v5(64.457,-89.689)
XO2_TDO: CON2.TDO R54.1 U11.137 | length 37.2
  Layer 1 w0.15: U11.137@31.5,-86.825 32.661,-86.825 32.855,-87.019 37.294,-87.019 v2(38.15,-87.875) ; CON2.TDO@62.368,-88.389 v5(64.457,-88.389) R54.1@65.647,-88.389
  Layer 4 w0.15: v2(38.15,-87.875) 39.014,-87.875 39.439,-88.3 63.492,-88.3 63.581,-88.389 v5(64.457,-88.389) ; v2@38.15,-87.869 v2@38.471,-87.869
XO2_TMS: CON2.TMS R56.1 U11.130 | length 38.7
  Layer 1 w0.15: U11.130@31.5,-83.325 32.336,-83.325 32.961,-83.95 37.675,-83.95 37.85,-83.775 v2(38.5,-83.775) ; CON2.TMS@62.37,-85.839 v5(64.457,-85.839) R56.1@65.647,-85.839
  Layer 4 w0.15: v2(38.5,-83.775) 42.144,-87.419 62.877,-87.419 v5(64.457,-85.839)
XTAL1: C73.1 OSC1.1 U10.12 | length 9.8
  Layer 1 w0.254: U10.12@45.3,-43.3 45.3,-44.425 v2@47.15,-46.275
  Layer 4 w0.254: v2(47.125,-46.3) 47.125,-46.254 v2@47.202,-46.177 ; OSC1.1@47.202,-49.635 v2@47.202,-46.3 ; C73.1@47.21,-52.75 OSC1.1@47.21,-50.163
XTAL2: C74.1 OSC1.2 U10.13 | length 14.1
  Layer 1 w0.254: v2(43.05,-46.175) 44.8,-44.425 U10.13@44.8,-43.3
  Layer 4 w0.254: C74.1@38.69,-52.75 OSC1.2@38.69,-49.647 ; OSC1.2@38.702,-49.635 42.315,-49.635 43.05,-48.9 v2(43.05,-46.175)
pads on no net: CON1.KEY CON2.KEY CON2.nRESET J4.SM J5.SM J6.SM J7.SM LED1.0 LED2.0 LED3.0 OSC1.0 S1.2 S1.4 S2.2 S2.4 U2.1 U2.3 U3.1 U3.7 U3.14 U4.5 U5.5 U7.4 U8.1 U9.4 U10.1 U10.2 U10.3 U10.7 U10.8 U10.9 U10.10 U10.11 U10.14 U10.32 U10.33 U10.34 U10.35 U10.37 U10.38 U10.39 U10.44 U10.45 U10.46 U10.47 U10.48 U10.49 U10.50 U10.51 U10.52 U10.53 U10.54 U10.55 U10.56 U10.57 U10.58 U10.60 U10.61 U10.62 U10.63 U10.64 U10.65 U10.66 U10.67 U10.68 U10.69 U10.70 U10.72 U10.75 U10.81 U10.84 U10.86 U10.87 U10.91 U10.92 U10.93 U10.95 U10.99 U10.100 U10.101 U10.103 U10.104 U10.105 U10.106 U10.108 U10.110 U10.112 U10.113 U10.114 U10.115 U10.116 U10.118 U10.119 U10.125 U10.126 U10.129 U10.132 U10.133 U10.134 U10.136 U10.138 U10.139 U10.140 U10.142 U10.143 U10.144 U11.1 U11.2 U11.3 U11.4 U11.5 U11.6 U11.9 U11.10 U11.11 U11.12 U11.13 U11.14 U11.15 U11.17 U11.19 U11.20 U11.21 U11.22 U11.23 U11.24 U11.25 U11.26 U11.27 U11.38 U11.39 U11.40 U11.41 U11.42 U11.43 U11.47 U11.48 U11.49 U11.50 U11.52 U11.54 U11.55 U11.56 U11.57 U11.58 U11.59 U11.60 U11.61 U11.62 U11.63 U11.65 U11.67 U11.68 U11.73 U11.74 U11.75 U11.76 U11.77 U11.78 U11.81 U11.82 U11.83 U11.84 U11.85 U11.86 U11.87 U11.89 U11.119 U11.125 U11.126 U11.129

## Polygon pours and split planes (outlines as drawn)
PGND on Layer 4 "free" (solid, remove dead copper, pour order 26): 0,-99.975 0,-42.975 58.825,-42.975 67.05,-51.2 69.825,-51.2 69.825,-99.9
GND on Layer 4 "free" (solid, remove dead copper, pour order 10): 0,-49.3 0,0 68.075,0 70.075,0 70.074,-1.999 70,-35.176 16.925,-35.176 16.925,-68.975 20.625,-68.975 20.625,-79.65 12.7,-79.65 12.7,-49.3
DGND on Layer 4 "free" (solid, remove dead copper, pour order 22): 17.05,-35.325 51.325,-35.325 67.225,-51.225 67.225,-91.8 62.25,-91.8 57.037,-97.012 16.512,-97.012 14.55,-95.05 14.55,-90.657 17.816,-90.657 17.816,-87.125 15.575,-87.125 15.575,-79.75 20.7,-79.75 20.7,-68.8 17.05,-68.8
RXAGND on Layer 4 "free" (solid, remove dead copper, pour order 16): 3.31,-49.41 12.585,-49.41 12.585,-79.735 15.41,-79.735 15.41,-87.235 17.76,-87.235 17.76,-90.635 17.71,-90.585 14.385,-90.585 14.385,-92.71 11.485,-92.71 10.41,-91.635 5.835,-91.635 3.335,-89.135
GND on Layer 1 "free" (solid, remove dead copper, pour order 12): 0,-49.3 0,0 68.075,0 70.075,0 70.075,-35.176 16.925,-35.176 16.925,-68.975 20.625,-68.975 20.625,-79.65 12.7,-79.65 12.7,-49.3
PGND on Layer 1 "free" (solid, remove dead copper, pour order 28): 0,-99.975 0,-42.975 58.825,-42.975 67.05,-51.2 69.825,-51.2 69.825,-99.9
DGND on Layer 1 "free" (solid, remove dead copper, pour order 18): 17.05,-35.325 51.35,-35.325 67.25,-51.225 67.25,-91.8 62.275,-91.8 57.062,-97.012 16.537,-97.012 14.575,-95.05 14.575,-90.657 17.841,-90.657 17.841,-87.125 15.6,-87.125 15.6,-79.75 20.725,-79.75 20.725,-68.85 17.075,-69.6
RXAGND on Layer 1 "free" (solid, remove dead copper, pour order 14): 3.325,-49.425 12.6,-49.425 12.6,-79.75 15.425,-79.75 15.425,-87.25 17.775,-87.25 17.775,-90.65 17.725,-90.6 14.4,-90.6 14.4,-92.725 11.5,-92.725 10.425,-91.65 5.85,-91.65 3.35,-89.15
RXAGND on Layer 2 (split plane): 12.571,-76.585 12.571,-79.7 12.58,-79.75 12.608,-79.792 12.65,-79.82 12.7,-79.829 15.374,-79.829 15.374,-87.213 15.383,-87.263 15.411,-87.305 15.453,-87.333 15.503,-87.342 17.649,-87.342 17.649,-90.484 14.501,-90.484 14.451,-90.493 14.409,-90.521 14.381,-90.563 14.371,-90.613 14.371,-92.571 11.529,-92.571 10.517,-91.558 10.475,-91.53 10.425,-91.521 5.904,-91.521 3.354,-88.971 3.354,-49.454 12.571,-49.454
DGND on Layer 2 (split plane): 67.258,-51.392 67.3,-51.42 67.35,-51.429 67.721,-51.429 67.721,-91.796 62.3,-91.796 62.25,-91.805 62.208,-91.833 56.521,-97.521 17.104,-97.521 14.63,-95.047 14.63,-92.7 14.63,-90.742 17.778,-90.742 17.828,-90.733 17.87,-90.705 17.898,-90.663 17.907,-90.613 17.907,-87.213 17.898,-87.163 17.87,-87.121 17.828,-87.093 17.778,-87.084 15.632,-87.084 15.632,-79.829 20.625,-79.829 20.675,-79.82 20.717,-79.792 20.745,-79.75 20.754,-79.7 20.754,-69.45 20.745,-69.4 20.717,-69.358 20.675,-69.33 20.625,-69.321 17.104,-69.321 17.104,-35.429 51.296,-35.429
DGND on Layer 2 (split plane): 42.125,-29.725 45.125,-32.725 45.125,-32.925 45.1,-35.148 51.373,-35.148 51.417,-35.192 51.4,-35.18 51.35,-35.171 16.975,-35.171 16.925,-35.18 16.883,-35.208 16.855,-35.25 16.846,-35.3 16.846,-69.45 16.855,-69.5 16.883,-69.542 16.925,-69.57 16.975,-69.579 20.496,-69.579 20.496,-79.571 12.829,-79.571 12.829,-76.585 12.829,-49.325 12.82,-49.275 12.792,-49.233 12.75,-49.205 12.7,-49.196 3.354,-49.196 3.354,-8.279 8.175,-8.279 8.225,-8.27 8.267,-8.242 8.295,-8.2 8.304,-8.15 8.304,-2.404 42.125,-2.404
PGND on Layer 2 (split plane): 69.49,-99.49 0.51,-99.49 0.51,-0.51 69.49,-0.51
VDD5V0 on Layer 3 (split plane): 42.125,-29.725 45.125,-32.725 45.125,-34.125 67.721,-34.125 45.125,-34.125 45.125,-35.171 16.975,-35.171 16.925,-35.18 16.883,-35.208 16.855,-35.25 16.846,-35.3 16.846,-69.45 16.855,-69.5 16.883,-69.542 16.925,-69.57 16.975,-69.579 20.496,-69.579 20.496,-79.571 12.829,-79.571 12.829,-49.325 12.82,-49.275 12.792,-49.233 12.75,-49.205 12.7,-49.196 3.354,-49.196 3.354,-8.8 3.354,-8.279 8.175,-8.279 8.225,-8.27 8.267,-8.242 8.295,-8.2 8.304,-8.15 8.304,-2.404 42.125,-2.404
VDD5V0 on Layer 3 (split plane): 51.417,-35.192 51.4,-35.18 51.373,-35.175 51.4,-35.175
VDD3V3 on Layer 3 (split plane): 67.258,-51.392 67.3,-51.42 67.35,-51.429 67.721,-51.429 67.721,-91.796 62.3,-91.796 62.25,-91.805 62.208,-91.833 56.521,-97.521 17.104,-97.521 14.629,-95.046 14.629,-92.7 14.629,-90.742 17.778,-90.742 17.828,-90.733 17.87,-90.705 17.898,-90.663 17.907,-90.613 17.907,-87.213 17.898,-87.163 17.87,-87.121 17.828,-87.093 17.778,-87.084 15.632,-87.084 15.632,-79.829 20.625,-79.829 20.675,-79.82 20.717,-79.792 20.745,-79.75 20.754,-79.7 20.754,-69.45 20.745,-69.4 20.717,-69.358 20.675,-69.33 20.625,-69.321 17.104,-69.321 17.104,-35.429 51.296,-35.429
RXA3V3 on Layer 3 (split plane): 12.571,-79.7 12.58,-79.75 12.608,-79.792 12.65,-79.82 12.7,-79.829 15.374,-79.829 15.374,-87.213 15.383,-87.263 15.411,-87.305 15.453,-87.333 15.503,-87.342 17.649,-87.342 17.649,-90.484 14.5,-90.484 14.45,-90.493 14.408,-90.521 14.38,-90.563 14.371,-90.613 14.371,-92.571 11.529,-92.571 10.517,-91.558 10.475,-91.53 10.425,-91.521 5.904,-91.521 3.354,-88.971 3.354,-49.454 12.571,-49.454
PGND on Layer 3 (split plane): 69.49,-99.49 0.51,-99.49 0.51,-0.51 69.49,-0.51

## Other copper
Layer 1:
  rectangle net PGND: 0.525,-38.875 8.6,-32.975
  rectangle net PGND: 0.025,-2.2 68.1,0
  region net PGND: 2.1,-99.975 2.1,0 0,0 0,-99.975
  region net PGND: 70.075,-99.975 70.075,0 67.975,0 67.975,-99.975
  rectangle net PGND: 0.05,-99.975 68.125,-97.775
  rectangle net GND: 15.275,-75.075 18.575,-70.1
  region net GND: 15.885,-21.43 13.735,-21.43 13.735,-21.44 15.885,-21.44
  rectangle net PGND: 1.975,-8.075 8.05,-2.025
  rectangle net PGND: 62.125,-8.05 68.275,-1.825
  rectangle net PGND: 62.15,-98.35 68.3,-92.125
  rectangle net PGND: 1.9,-98.325 8.05,-92.1
Layer 4:
  rectangle net PGND: 1.675,-51.65 9.325,-47.675
  rectangle net PGND: 0,-2.2 68.075,0
  rectangle net PGND: 0,-100 68.075,-97.8
  region net PGND: 2.1,-100 2.1,-0.025 0,-0.025 0,-100
  region net PGND: 69.975,-99.975 69.975,0 67.875,0 67.875,-99.975
  rectangle net PGND: 0.525,-38.7 8.6,-32.975
  rectangle net PGND: 2.025,-8.05 8.1,-2
  rectangle net PGND: 62.125,-8.05 68.275,-1.825
  rectangle net PGND: 62.15,-98.35 68.3,-92.125
  rectangle net PGND: 1.9,-98.325 8.05,-92.1
Layer 2 (plane layer: these items are gaps in the copper):
  pour cut-out: 67.4,-51.175 51.373,-35.148 45.1,-35.148 45.125,-32.925 67.725,-32.925 67.725,-51.175
  pour cut-out: 67.725,-32.925 67.725,-8.125 62.075,-8.125 62.05,-8.1 62.05,-2.25 42.125,-2.25 42.125,-29.725 45.125,-32.725 45.125,-32.925
  lines w0.254: 14.501,-94.151 14.501,-92.7 ; 15.503,-79.7 15.503,-87.213 17.778,-87.213 17.778,-90.613 14.501,-90.613 14.501,-92.7 ; 67.85,-51.3 67.35,-51.3 51.35,-35.3 16.975,-35.3 16.975,-69.45 20.625,-69.45 20.625,-79.7 12.7,-79.7 12.7,-76.585 12.7,-49.325 3.225,-49.325 ; 3.225,-49.325 3.225,-89.025 5.85,-91.65 10.425,-91.65 11.475,-92.7 14.501,-92.7 ; 3.225,-49.325 3.225,-8.15 8.175,-8.15 8.175,-2.3 8.2,-2.275 62.025,-2.275 62.075,-2.325 62.075,-8.125 67.85,-8.125 67.85,-50.85 67.85,-91.925 62.3,-91.925 56.575,-97.65 17.05,-97.65 14.501,-95.101 14.501,-92.7
Layer 3 (plane layer: these items are gaps in the copper):
  pour cut-out: 67.4,-51.175 51.4,-35.175 45.125,-35.175 45.125,-34.125 67.725,-34.125 67.725,-51.175
  pour cut-out: 67.85,-34.125 67.85,-8.125 62.075,-8.125 62.05,-8.1 62.05,-2.25 42.125,-2.25 42.125,-29.725 45.125,-32.725 45.125,-34.125
  lines w0.254: 15.503,-79.7 15.503,-87.213 ; 15.878,-87.213 15.503,-87.213 ; 3.225,-49.325 3.225,-89.025 5.85,-91.65 10.425,-91.65 11.475,-92.7 14.5,-92.7 ; 3.225,-49.325 12.7,-49.325 12.7,-79.7 20.625,-79.7 20.625,-69.45 16.975,-69.45 16.975,-35.3 51.35,-35.3 67.35,-51.3 67.85,-51.3 ; 3.225,-49.325 3.225,-8.8 3.225,-8.15 8.175,-8.15 8.175,-2.3 8.2,-2.275 8.35,-2.275 62,-2.275 62.075,-2.35 62.075,-8.125 ; 14.5,-92.7 14.5,-95.1 17.05,-97.65 56.575,-97.65 62.3,-91.925 67.85,-91.925 67.85,-51.3 ; 14.5,-92.7 14.5,-90.613 17.778,-90.613 17.778,-87.213 15.503,-87.213 ; 62.075,-8.125 67.175,-8.125 ; 62.075,-8.125 62.075,-8.125 ; 67.175,-8.125 67.825,-8.125 67.85,-8.15 67.85,-51.3 ; 67.175,-8.125 67.175,-8.125

## Silkscreen, mask and mechanical layers (free items; w line width, h text height)
Top Overlay:
  drawing of 631 lines, arcs and shapes, not listed
  text "20V max." at 9.275,-21.575 h1.52
  text "GND" at 19.9,-31.925 h1.52
  text "Hochschule Ulm / Ultrasound Doppler 2015 / Master Thesis - A. Rehn" at 47.075,-32.025 h1.52
  text "JTAG / SWD" at 57.275,-37.775 h1.52
  text "3V3" at 57.25,-39.5 h1.52
  text "TMS" at 62.075,-39.5 h1.52
  text "GND" at 57.25,-40.75 h1.52
  text "TCK" at 62.075,-40.75 h1.52
  text "GND" at 57.25,-42 h1.52
  text "TDO" at 62.075,-42 h1.52
  text "KEY" at 57.25,-43.25 h1.52
  text "TDI" at 62.075,-43.25 h1.52
  text "1:1 = 1-2 / 1:2 = 2-3" at 32.45,-44.025 h1.52 r90
  text "Detect" at 57.25,-44.5 h1.52
  text "RESET" at 62.075,-44.5 h1.52
  text "OUT+" at 16.6,-57.05 h1.52 r90
  text "OUT-" at 26.975,-57.05 h1.52 r90
  text "IN/OUT" at 3.725,-59.25 h1.52 r90
  text "CORTEX M3 / M4" at 30.1,-65.725 h1.52 r90
  text "DGND" at 33.45,-68.425 h1.52
  text "TX+" at 15.2,-69.45 h1.52
  text "TX-" at 25,-69.45 h1.52
  text "BANDPASS" at 3.723,-69.575 h1.52 r90
  text "1V6" at 9.95,-73.3 h1.52
  text "GAIN" at 3.7,-79.95 h1.52 r90
  text "AGND" at 9.3,-80.025 h1.52
  text "DGND" at 21.425,-80.2 h1.52
  text "IMPEDANCE" at 3.7,-88.825 h1.52 r90
  text "MACHXO2 - 7000HC" at 30.1,-89.225 h1.52 r90
  text "ADC" at 11.2,-94.175 h1.52
  text "TP" at 47.75,-95.975 h1.52
  text "DGND" at 30.3,-97.65 h1.52
  text "DGND" at 34.575,-97.65 h1.52
Bottom Overlay:
  lines w0.254: 10.025,-88.35 10.5,-85.95 ; 15.25,-88.725 19.15,-91.45 ; 19.525,-88.55 23.35,-87.8 ; 22.45,-84.975 23.175,-84 ; 26.675,-51.775 26.875,-51.4 ; 29.2,-51.425 29.375,-53.65 ; 31.95,-41.325 32.725,-43.1 ; 34.45,-78.425 34.5,-76.7 ; 35.275,-64.825 36.575,-66.3 ; 36.2,-45.15 37.299,-44.349 ; 43,-52.425 43.05,-55.1 ; 43.575,-64.875 43.825,-66.325 ; 43.95,-43.225 46.3,-43.575
Top Solder:
  rectangle: 62.1,-98.45 68.25,-92.075
  rectangle: 0,-2.2 68.075,0
  region: 2.1,-100 2.1,-0.025 0,-0.025 0,-100
  region: 70,-100 70,-0.025 67.9,-0.025 67.9,-100
  rectangle: 0.05,-100 68.125,-97.8
  rectangle: 1.95,-98.45 8.1,-92.075
  rectangle: 1.95,-8.075 8.1,-1.7
  rectangle: 62.1,-8.075 68.25,-1.7
Bottom Solder:
  rectangle: 62.1,-98.45 68.25,-92.075
  region: 70,-100 70,-0.025 67.9,-0.025 67.9,-100
  region: 2.1,-100 2.1,-0.025 0,-0.025 0,-100
  rectangle: 0,-2.2 68.075,0
  rectangle: 0,-100 68.075,-97.8
  rectangle: 1.95,-98.45 8.1,-92.075
  rectangle: 62.1,-8.075 68.25,-1.7
  rectangle: 1.95,-8.075 8.1,-1.7

## Text inside footprints (layer, text, board x,y; h text height)
J6: Top Overlay "1" at 26.495,-50.861 h0.89 r90; Top Overlay "2" at 26.495,-48.829 h0.89 r90; Top Overlay "3" at 26.495,-46.797 h0.89 r90
J7: Top Overlay "1" at 26.495,-43.336 h0.89 r90; Top Overlay "2" at 26.495,-41.304 h0.89 r90; Top Overlay "3" at 26.495,-39.272 h0.89 r90